# Altium PCB AT91-PCB.PcbDoc (part 3 of 3) (continued)
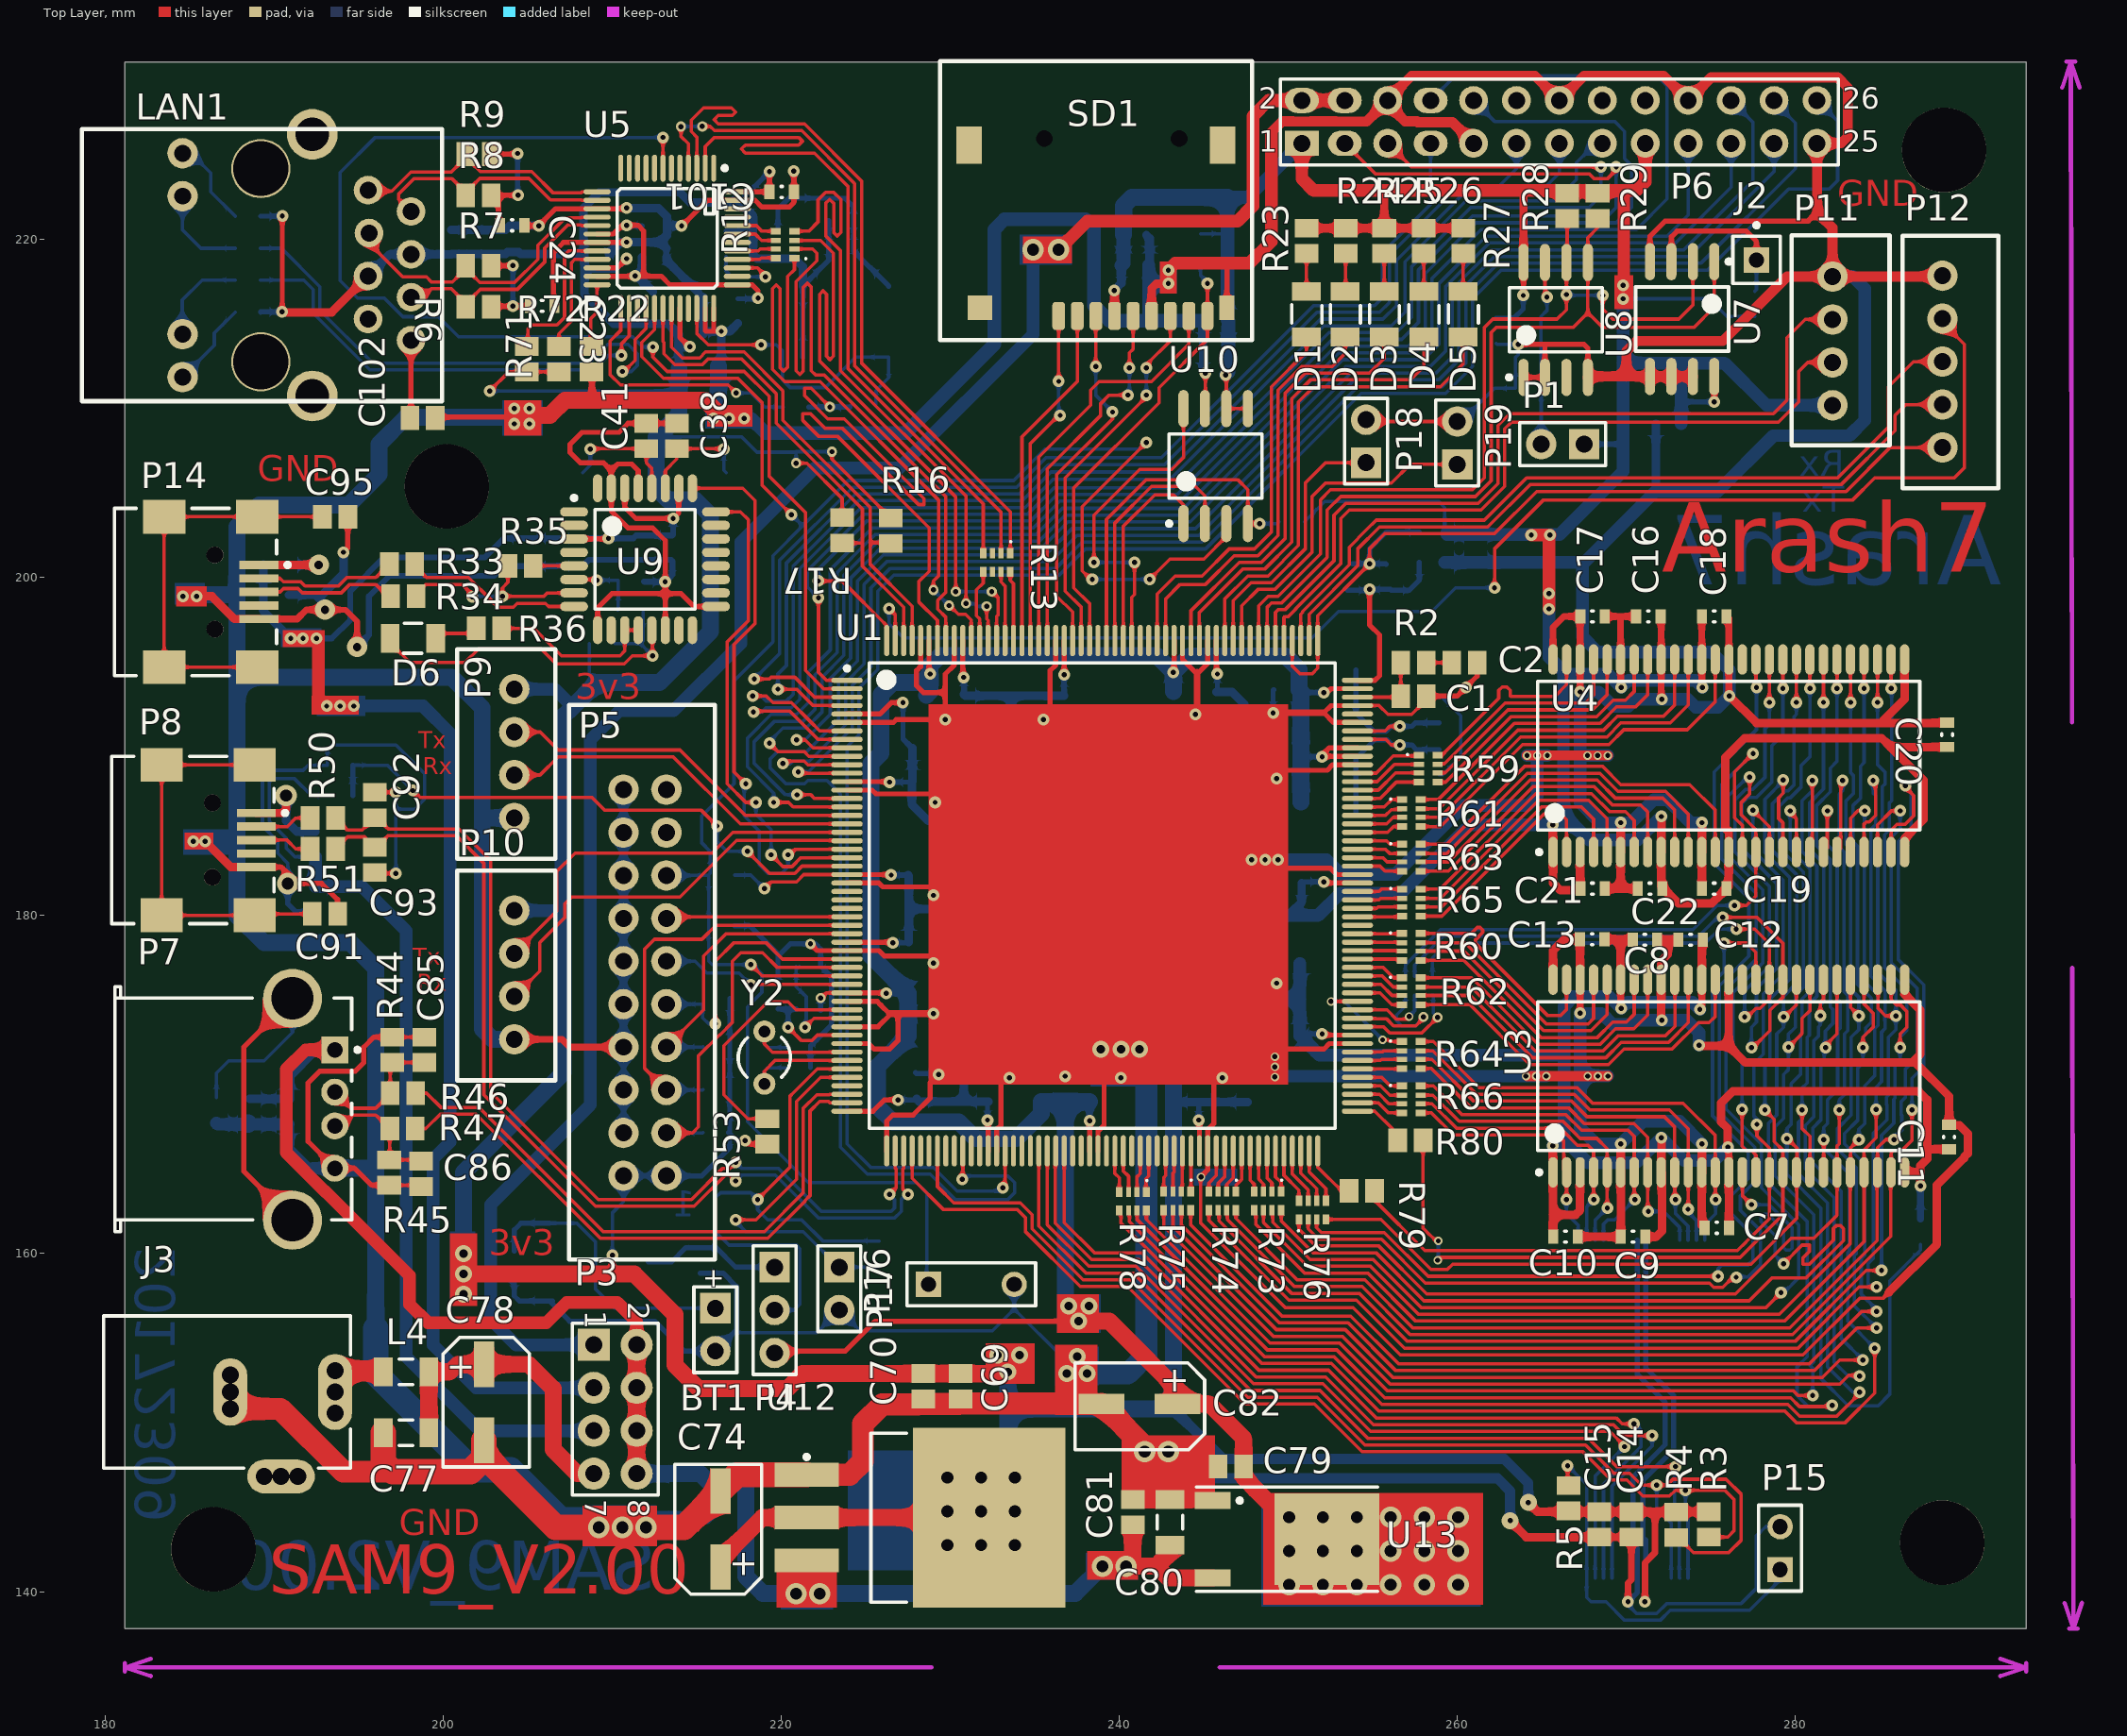
[diagram p0: Top Layer view]
## Nets (pads, with @x,y where several pads share a name; then routed paths per layer and width w, separated by ;. In a path a pad name is that pad's centre, name@x,y a point inside that pad or via, vN(x,y) a via of type N, cw(c..) or ccw(c..) an arc to the next point about the centre after c; other vN are vias at no path point) (continued)
TXD1: P9.2 U1.17 | length 21.7
  Top Layer w0.2: P9.2@204.2,190.86 205.74,190.86 206.8,189.8 214,189.8 217.875,185.925 223.885,185.925 U1.17@223.889,185.928
TXD2: P10.2 U1.19 | length 24
  Top Layer w0.2: P10.2@204.2,177.76 206.7,180.26 206.7,182.6 207.8,183.7 215.9,183.7 217.128,184.928 U1.19@223.889,184.928
TXD3: P11.2 U1.161 | length 44.7
  Top Layer w0.2: U1.161@249.739,196.278 249.739,197.639 249.8,197.7 250,197.7 250.439,198.139 250.439,198.17 253.1,200.831 253.1,203.5 253.6,204 260.434,204 261.397,204 262.8,205.403 262.8,208.8 263.2,209.2 279,209.2 280.2,210.4 280.2,212.2 280.74,212.74 P11.2@282.2,212.74
US_N: P14.2 R33.2 | length 8.5
  Top Layer w0.2: P14.2@189.087,199.952 190.337,199.952 190.537,199.752 191.566,199.752 191.817,199.5 193.8,199.5 194.3,200 195.999,200 R33.2@196.811,200.812
US_P: P14.3 R34.2 | length 8.5
  Top Layer w0.2: P14.3@189.087,199.152 190.337,199.152 190.537,199.352 191.4,199.352 191.652,199.1 193.966,199.1 194.466,199.6 196,199.6 196.693,198.907 R34.2@196.887,198.907
USB_PWR: R48.2 R49.1 U1.23 | length 34.5
  Top Layer w0.2: v1(198.2,187.4) 198.6,187 208.8,187 209.57,186.23 215.27,186.23 v1(216.2,185.3) ; v1(218,183.8) 219.3,182.5 220.8,182.5 221.228,182.928 U1.23@223.889,182.928
  Bottom Layer w0.2: R49.1@194.65,188.9 196.7,188.9 v1(198.2,187.4) ; v1(216.2,185.3) 216.2,184.4 216.8,183.8 v1(218,183.8) v1@217.9,183.8
  Bottom Layer w0.3: R48.2@194.65,187.1 R49.1@194.65,188.9
VCC_1V8: C58.2 C59.2 C60.2 C61.2 C62.2 C63.2 C64.2 C65.2 C66.2 C79.2 C82.2 P4.3 R82.2 R83.2 U1.38 U1.77 U1.147 U1.148 U1.155 U1.174 U1.203 U13.4 | length 149.2
  Top Layer w0.2: v4@222.2,175.2 222.45,175.2 222.678,175.428 U1.38@223.889,175.428 ; v1@226.172,175.428 v1(226.2,175.4) ; v1@228.739,194.361 v1(228.8,194.3) ; v1(243.2,194.4) v1@243.239,194.439 ; v1(252,189.4) v1@252.028,189.428 ; v1(252.1,193.2) v1@252.3,193.2
  Top Layer w0.3: P4.3@219.6,154.12 219.705,154.225 223.775,154.225 225.55,156 v5(237.6,156) ; U1.38@223.889,175.428 v1@226.172,175.428 ; v1@228.739,194.361 U1.203@228.739,196.278 ; U1.77@238.239,166.078 v1(238.239,167.861) ; v1@243.239,194.439 U1.174@243.239,196.278 ; v1(252,189.4) 252,189.5 252.428,189.928 U1.148@254.089,189.928 ; v1@252.028,189.428 U1.147@254.089,189.428 ; v1@252.3,193.2 252.528,193.428 U1.155@254.089,193.428
  Top Layer w1: v5(237.6,156) 239.4,156 244.2,151.2 244.65,151.2 244.65,151.1 245.325,151.1 247.35,149.075 C79.2@247.35,147.4 247.35,146.75 248.9,145.2
  Bottom Layer w0.2: C60.2@227.368,172.9 C60.2@227.468,173 ; v1@238.227,167.873 v1(238.239,167.861) ; C65.2@250.737,193.269 C65.2@250.805,193.2
  Bottom Layer w0.3: R83.2@222.325,174.4 v4@222.325,175.2 ; v1(226.2,175.4) C61.2@227.507,175.4 ; C60.2@227.468,173 C60.2@227.507,173.039 ; v1@238.227,167.873 C62.2@238.227,168.998 ; C66.2@250.737,189.459 250.795,189.4 v1(252,189.4) ; C65.2@250.805,193.2 v1(252.1,193.2)
  Bottom Layer w0.5: C59.2@250.737,186.713 C59.2@250.85,186.6
  Bottom Layer w1: C63.2@228.6,193.05 228.8,193.25 v1(228.8,194.3) ; v5(237,156.9) 236.8,157.1 236.8,168.998 ; C62.2@238.227,168.998 236.8,168.998 ; C64.2@243.2,193.262 v1(243.2,194.4) ; C59.2@250.737,186.713 C66.2@250.737,189.459 250.737,193.269 C65.2@250.635,193.37 250.635,194.565 249.85,195.35 244.15,195.35 v1(243.2,194.4) ; v1(228.8,194.3) 228.3,193.8 226.6,193.8 225.9,193.1 225.9,189.6 225.3,189 225.3,177.607 227.507,175.4 227.507,173.039 227.507,172.885 225.7,171.078 225.7,168.7 226.6,167.8 230.5,167.8 231.5,166.8 233.9,166.8 235.382,168.282 C58.2@235.382,168.998 236.8,168.998 ; v1(228.8,194.3) 228.8,194.8 229.4,195.4 242.2,195.4 v1(243.2,194.4)
  other v2: 250.05,140.4 252.05,140.4 254.05,140.4 256.05,140.4 258.05,140.4 260.05,140.4 250.05,142.4 252.05,142.4 254.05,142.4 256.05,142.4 258.05,142.4 260.05,142.4 250.05,144.4 252.05,144.4 254.05,144.4 256.05,144.4 258.05,144.4 260.05,144.4
  other v4: 222.325,175.125
  other v5: 238.2,156.9
VCC_3V3: C7.2 C8.2 C9.2 C10.2 C11.2 C12.2 C13.2 C14.2 C15.2 C16.2 C17.2 C18.2 C19.2 C20.2 C21.2 C22.2 C25.1 C26.2 C27.2 C28.2 C30.1 C34.2 C35.2 C37.2 C39.2 C40.2 C45.2 C46.2 C47.2 C48.2 C49.2 C50.2 C51.2 C52.2 C53.2 C54.2 C55.2 C56.2 C57.2 C69.2 C70.2 C71.2 C74.2 C83.2 C84.2 C96.2 C98.2 C99.1 C100.2 C101.2 L3.1 LAN1.4 LAN1.5 P1.1 P5.1 P5.2 P6.1 P6.17 P9.1 P10.1 P11.1 R1.1 R3.1 R4.1 R5.1 R13.1@189.19,221.39 R14.1 R16.2 R17.1 R23.2 R24.2 R25.2 R26.2 R27.2 R28.1 R29.1 R30.1 R39.1 R40.1 R41.1 R42.1 R43.1 R52.2 R53.2 R57.1 R58.2 R67.2 R71.1 R72.1 SD1.4 U1.5 U1.13 U1.24 U1.32 U1.52 U1.65 U1.90 U1.114 U1.132 U1.169 U1.187 U1.199 U2.12 U2.37 U3.1 U3.3 U3.9 U3.14 U3.27 U3.43 U3.49 U4.1 U4.3 U4.9 U4.14 U4.27 U4.43 U4.49 U5.22 U5.32 U5.48 U6.1 U6.4 U7.8 U8.8 U10.5 U10.6 U12.2 U12.4 | length 869.7
  Top Layer w0.2: v1(202.75,211.05) 203.875,212.175 R72.1@204.95,212.175 R71.1@206.85,212.175 ; 210,158.8 v1(210,159.9) ; v1(219,181.6) 219.4,182 220.9,182 221.328,182.428 U1.24@223.889,182.428 ; v4(220.875,206.775) 221.509,206.775 223.6,204.684 R17.1@223.6,203.55 ; v4(223,207.45) 223,207 R16.2@226.475,203.525 ; v1(246.3,212) 246.335,211.965 U10.6@246.335,210 U10.5@247.605,210 ; C14.2@270.3,144.775 274.825,144.775 R3.1@274.875,144.725 ; v1(276,166.3) v1@276.064,166.236
  Top Layer w0.3: v1@190.45,215.7 190.475,215.725 v1(190.475,221.4) ; U5.22@209.1,218.33 210.305,218.33 v1(210.85,218.875) ; U5.32@214,215.93 214,214.221 214.56,213.66 v1(214.585,213.66) ; U5.48@217.4,222.83 C101.2@219.3,222.83 ; v1(217.86,166.69) 218.07,166.48 R53.2@219.17,166.48 ; C101.2@219.3,222.825 C101.2@219.3,222.83 ; v1(219.3,224.025) C101.2@219.3,222.83 ; U1.52@223.889,168.428 225.428,168.428 226.1,169.1 v1(226.9,169.1) ; U1.32@223.889,178.428 226.572,178.428 v1(226.6,178.4) ; U1.24@223.889,182.428 226.472,182.428 v1(226.5,182.4) ; U1.13@223.889,187.928 226.372,187.928 v1(226.4,187.9) ; U1.5@223.889,191.928 225.828,191.928 226.5,192.6 v1(227.2,192.6) ; U1.199@230.739,196.278 230.739,194.161 v1(230.8,194.1) ; v1(232.2,167.9) 232.239,167.861 U1.65@232.239,166.078 ; v1(236.739,194.261) U1.187@236.739,196.278 ; v1(244.7,167.9) 244.739,167.861 U1.90@244.739,166.078 ; U1.169@245.739,196.278 245.739,194.361 v1(245.8,194.3) ; v1(252,173) 252.072,172.928 U1.114@254.089,172.928 ; v1(252.1,182) 252.2,182 252.272,181.928 U1.132@254.089,181.928 ; v1(263.9,216.7) 263.915,216.715 U8.8@263.915,218.649 ; v1@269.664,193.536 v1(269.7,193.5) ; v1@274.464,193.536 v1(274.5,193.5) ; v1(275.2,210.4) 275.205,210.405 U7.8@275.205,211.9
  Top Layer w0.4: C17.2@268.75,197.7 269.65,197.7 ; v1@269.664,174.538 U3.49@269.664,176.16 ; v1@269.664,193.536 U4.49@269.664,195.159 269.664,197.686 269.65,197.7 ; C16.2@270.55,197.7 269.65,197.7 ; v1(271.1,139.4) 271.1,141.7 271.7,142.3 271.7,144.725 ; C18.2@274.45,197.7 274.464,197.686 U4.43@274.464,195.159 v1@274.464,193.536 ; v1@274.464,174.538 U3.43@274.464,176.16 ; U3.14@276.064,164.81 v1@276.064,166.236
  Top Layer w0.5: v1@190.45,215.7 193.402,215.7 LAN1.5@195.551,217.849 ; v1(239.7,217) 239.715,216.985 SD1.4@239.715,215.482 ; R23.2@251.077,220.679 R24.2@253.388,220.679 R25.2@255.674,220.679 ; 255.7,222.9 255.674,222.874 R25.2@255.674,220.679 ; R27.2@260.348,220.679 R26.2@258.011,220.679 R25.2@255.674,220.679 ; 263.8,222.9 263.915,222.785 U8.8@263.915,218.649 ; v7(264.2,145.275) 264.75,144.725 271.7,144.725 R3.1@274.875,144.725 ; v1(265.65,166.377) U3.1@265.65,164.797 ; v1(265.65,185.375) 265.65,183.795 265.675,183.77 U4.1@265.664,183.759 265.664,181.936 266.1,181.5 266.975,181.5 267.264,181.789 U4.3@267.264,183.759 ; U3.1@265.664,164.81 U3.1@265.65,164.797 ; C10.2@265.675,161 265.65,161.025 265.65,162.3 ; U3.3@267.264,164.81 267.264,162.564 267,162.3 265.65,162.3 ; C13.2@268.7,178.6 269.664,178.6 ; U3.49@269.664,176.21 269.664,178.6 ; v1(269.8,216.5) v1@269.85,216.55 ; 269.85,222.75 270,222.9 ; C8.2@270.375,178.575 270.35,178.6 269.664,178.6 ; C9.2@271.125,161 271.775,161 272.1,161.325 272.1,164.774 U3.9@272.075,164.799 ; U3.9@272.064,164.81 U3.9@272.075,164.799 ; U3.9@272.075,164.772 U3.9@272.075,164.799 ; v1@272.075,166.865 U3.9@272.075,164.799 ; v1@272.075,185.864 272.075,183.77 U4.9@272.064,183.759 272.064,181.739 273.077,180.725 275.05,180.725 C19.2@275.925,181.6 276.064,181.739 U4.14@276.064,183.759 276.064,184.997 276,185.061 ; U3.43@274.464,176.21 274.464,178.489 C12.2@274.55,178.575 ; 275.961,185.061 275.85,185.172 275.85,189.35 277,190.5 285.1,190.5 285.625,189.975 ; v1(276,166.3) 276,167.4 275.6,167.8 275.6,168.9 276.3,169.6 287.3,169.6 287.8,169.1 287.8,166.25 ; C7.2@276.064,161.661 276.075,161.673 276.075,164.799 U3.14@276.064,164.81 ; U3.27@286.464,164.81 287.31,164.81 287.4,164.9 ; U4.27@286.464,183.759 286.464,184.564 287.6,185.7 287.6,188 285.625,189.975 ; v1(287.4,164) 287.4,164.9 ; C20.2@288.975,189.975 285.625,189.975 ; C11.2@289.1,166.175 287.875,166.175 287.8,166.25 ; 265.65,162.3 U3.1@265.65,164.797 ; 287.4,164.9 287.4,165.2 287.8,165.6 287.8,166.25
  Top Layer w0.75: P6.1@250.8,225.7 250.8,223.6 251.5,222.9 255.7,222.9 263.8,222.9 270,222.9 270.6,222.9 271.125,223.425 271.125,225.695 P6.17@271.12,225.7 ; v1(264.375,202.525) v1(265.475,202.525) 265.425,202.475 v1(265.425,199.05) v1(265.425,198.15) ; v1@269.85,216.55 269.85,222.75
  Top Layer w1: v5@201,158.8 v5(201.2,158.8) 210,158.8 211.3,158.8 213.7,156.4 213.7,153.4 215.1,152 220.35,152 221.25,152.9 C70.2@228.4,152.9 C69.2@230.6,152.9 232.7,152.9 ; C74.2@216.4,141.45 216.4,141.9 218.875,144.375 U12.2@221.5,144.375 U12.4@232.3,144.375 U12.4@233.4,145.475 ; v5@232.7,153.9 v5(232.8,154) v5(234.1,154) v5@234.5,154
  Bottom Layer w0.2: v1(202.75,211.05) 213.975,211.05 ; R58.2@208.65,196.1 208.65,194.25 209.1,193.8 ; v1(210,159.9) 210,162.4 210.66,163.06 P5.2@210.66,164.6 P5.1@213.2,164.6 ; 212.6,208.325 217.65,208.325 218.55,207.425 220.85,207.425 ; R52.2@217.25,182.4 218.2,182.4 v1(219,181.6) ; v4(220.875,206.775) 220.875,207.4 220.85,207.425 ; v4(223,207.45) 220.875,207.45 220.85,207.425 ; R43.1@244.8,220.35 246.35,220.35 246.4,220.3 ; R57.1@250.95,203.3 252.15,204.5 258.9,204.5 259.25,204.15 L3.1@259.25,202.7 ; v1(269.8,216.5) 274.9,216.5 275.95,215.45 R30.1@277.6,215.45
  Bottom Layer w0.3: R14.1@189.19,215.71 189.205,215.725 v1(190.45,215.725) ; R13.1@189.19,221.39 190.465,221.39 v1(190.475,221.4) ; 208.35,218.2 210.175,218.2 v1(210.85,218.875) ; P5.1@213.2,164.6 215.3,164.6 216.95,166.25 R39.1@216.95,167.096 ; C99.1@213.675,212.375 C99.1@213.925,212.625 ; 213.925,213.55 213.99,213.615 ; v1@214.585,213.615 v1(214.585,213.66) ; R67.2@216.725,220.5 218,220.5 218.075,220.425 218.225,220.575 218.225,221.525 ; R39.1@216.879,167.167 R39.1@216.95,167.096 ; R42.1@216.95,175.1 R39.1@216.95,167.096 ; C30.1@217.55,222.2 217.55,222.275 v1(219.3,224.025) ; v1(217.86,166.69) 217.356,166.69 R39.1@216.95,167.096 ; U6.4@221.275,213.05 U6.1@221.275,217.25 222.8,218.775 C98.2@222.8,221.125 ; v1(226.4,187.9) C50.2@227.688,187.9 ; v1(226.5,182.4) C49.2@227.497,182.4 ; v1(226.6,178.4) 227.51,178.4 C48.2@227.545,178.435 ; v1(226.9,169.1) 227.95,169.1 C47.2@228,169.15 ; v1(227.2,192.6) 227.2,190.45 C96.2@227.75,189.9 ; C51.2@230.8,193.094 v1(230.8,194.1) ; v1(232.2,167.9) 232.2,168.941 C57.2@232.258,168.998 ; C52.2@236.728,193.003 236.728,194.272 v1(236.739,194.261) ; v1(244.7,167.9) 244.7,168.944 C56.2@244.729,168.973 ; C53.2@245.745,193.231 245.7,193.276 245.8,193.376 v1(245.8,194.3) ; C55.2@250.788,173 v1(252,173) ; C54.2@250.788,181.915 250.873,182 v1(252.1,182) ; C35.2@262.3,215.35 263.35,215.35 263.9,215.9 v1(263.9,216.7) ; P1.1@267.5,207.9 269.8,207.9 ; v1(271.1,139.4) 271.15,139.45 U2.12@271.15,140.8 271.15,143.05 270.975,143.225 270.975,146.575 271.451,147.051 272.8,148.4 272.8,151.6 271.15,153.25 U2.37@271.15,160.8 ; 273.25,210.4 v1(275.2,210.4)
  Bottom Layer w0.4: R1.1@287.4,162.05 v1(287.4,164)
  Bottom Layer w0.5: LAN1.5@195.551,217.849 196.831,219.129 LAN1.4@198.091,219.129 200.471,219.129 200.492,219.15 203.684,219.15 203.794,219.26 204.456,219.26 204.566,219.15 C26.2@208.3,219.15 ; 207,180.3 207.1,180.4 ; C26.2@208.35,219.15 C26.2@208.3,219.15 ; C99.1@213.925,212.625 213.925,213.55 C100.2@213.925,214.4 213.3,215.025 210.075,215.025 208.35,216.75 208.35,218.2 208.35,219 208.3,219.05 C26.2@208.3,219.15 ; 213.99,213.615 v1@214.585,213.615 ; U6.1@221.275,217.25 221.275,218.4 220.8,218.875 218.575,218.875 218.325,219.125 218.325,221.425 218.225,221.525 217.55,222.2 214.6,222.2 214,222.8 209.225,222.8 208.3,221.875 C26.2@208.3,219.15 ; C49.2@227.497,182.4 227.545,182.352 227.545,180.4 ; C48.2@227.545,178.435 227.545,180.4 ; C96.2@227.75,189.9 227.75,187.962 C50.2@227.723,187.935 227.723,186.577 228.7,185.6 231.9,185.6 ; C47.2@228,169.15 228.152,168.998 230.8,168.998 ; C51.2@230.8,193.094 230.892,193.003 233.6,193.003 ; 231.8,173.6 230.8,172.6 230.8,168.998 ; 232.2,180.5 232.1,180.4 227.545,180.4 ; C57.2@232.258,168.998 230.8,168.998 ; 233.7,188.4 233.6,188.5 233.6,193.003 ; C52.2@236.728,193.003 233.6,193.003 ; v1(239.7,217) 240.125,217.425 C84.2@240.125,218.466 ; 243.246,169 243.273,168.973 C56.2@244.729,168.973 247.577,168.973 C45.2@247.6,168.95 ; C53.2@245.745,193.231 246.669,193.231 247.4,192.5 247.4,189.8 245.8,188.2 ; C39.2@246.4,213.45 C39.2@246.45,213.4 ; 250,180 250.788,180.788 C54.2@250.788,181.915 ; C55.2@250.686,172.898 C55.2@250.788,172.999 ; C46.2@250.686,177.165 C46.2@250.788,177.267 ; L3.1@259.25,202.7 259.4,202.55 259.45,202.5 265.475,202.5 266,202.5 266.05,202.55
  Bottom Layer w0.6: 243.2,150.8 246.15,147.85 262.775,147.85 264.2,146.425 v7(264.2,145.275)
  Bottom Layer w0.75: P10.1@204.2,180.3 207,180.3 ; P9.1@204.2,193.4 206.6,193.4 207.65,192.35 ; 245.8,180 250,180 251.75,180 253.075,181.325 256.675,181.325 260.725,185.375 v1(265.65,185.375) ; 246.1,175.2 246.225,175.075 250.686,175.075 ; 246.4,222.5 247.6,222.5 P6.1@250.8,225.7 ; C46.2@250.686,177.165 250.686,175.075 ; L3.1@259.4,202.55 C71.2@261.1,202.55 266.05,202.55 269.8,206.3 269.8,207.9 269.8,212.7 ; v1(265.425,199.05) 265.425,195.3 266.275,194.45 266.275,186 ; v1@265.475,202.5 v1(265.475,202.525) ; 266.1,171.75 251.834,171.75 C55.2@250.686,172.898 250.686,175.075 ; 266.275,194.275 268.925,194.275 v1(269.7,193.5) 270.125,193.925 274.075,193.925 v1(274.5,193.5) ; v1(269.8,216.5) 269.8,212.7 ; v1(272.064,185.864) 270.675,184.475 267.8,184.475 266.9,185.375 ; C37.2@273.25,209.1 273.25,210.4 273.25,212.65 273.3,212.7 ; v1(274.35,174.45) 273.925,174.875 270.073,174.875 v1(269.7,174.502) 269.002,175.2 266.882,175.2 266.314,174.631 266.314,167.044 ; v1(276,166.3) 275.225,165.525 273.404,165.525 v1(272.064,166.865) 270.573,165.375 267.725,165.375 266.723,166.377 ; P11.1@282.2,210.2 278.3,210.2 275.8,212.7 273.3,212.7 ; v1(265.65,185.375) 266.9,185.375 ; v1(265.65,185.375) 266.275,186 ; 266.275,186 266.9,185.375 ; 266.314,167.044 266.314,167.04 v1(265.65,166.377) 266.723,166.377 ; 266.314,167.044 266.316,167.042 266.316,166.784 266.723,166.377 ; 269.8,212.7 273.3,212.7
  Bottom Layer w0.8: C84.2@240.125,218.466 240.25,218.591 C83.2@240.25,220.3 ; v1(246.3,212) 246.45,212.15 C39.2@246.45,213.4 ; C39.2@246.4,213.45 246.45,213.5 C40.2@246.45,215.2 246.4,215.25 246.4,220.3 246.4,222.5
  Bottom Layer w1: v5(201.2,158.8) 201.2,164.8 207.1,170.7 207.1,180.4 207.1,191.8 207.65,192.35 209.1,193.8 212.8,193.8 215.8,196.8 215.8,203.7 214.9,204.6 213.3,204.6 212.6,205.3 212.6,208.325 213.95,209.675 C99.1@213.95,212.375 ; 233.35,150.8 243.2,150.8 243.2,175.3 ; v5(233.4,153) 233.4,148 233.475,147.925 ; v5@233.6,153.2 234.4,153.2 ; C83.2@240.25,220.3 240.25,222 240.75,222.5 246.4,222.5
  other v1: 269.8,217.3
  other v2: 229.825,142.75 231.825,142.75 233.825,142.75 229.825,144.75 231.825,144.75 233.825,144.75 229.825,146.75 231.825,146.75 233.825,146.75
  other v5: 201.2,157.6 201.2,160
VCC_3V3A: C72.2 C73.2 L3.2 P12.1 U1.157 U1.160 | length 54.6
  Top Layer w0.2: U1.160@250.239,196.278 250.239,194.761 250.7,194.3 251.4,194.3 251.739,194.639 U1.157@251.739,196.278 251.739,197.739 254.8,200.8 v1(254.8,200.826) 254.8,201.7 255.7,202.6 262.2,202.6 264.7,205.1 283,205.1 285.6,207.7 P12.1@288.7,207.7 P12.1@288.7,208
  Bottom Layer w0.3: C73.2@253.803,200.826 v1(254.8,200.826) ; C72.2@255.784,200.801 255.759,200.826 v1(254.8,200.826) ; L3.2@257.75,202.7 255.8,202.7 254.8,201.7 v1(254.8,200.826)
VCC_5V: C75.2 C76.2 C80.2 C81.2 C88.2 C89.2 P3.2 P3.4 P3.6 P3.8 P7.1 U12.3 U13.3 | length 96.6
  Top Layer w0.75: P7.1@193.578,172.053 191.853,172.053 190.7,170.9 190.7,165.986 193.008,163.678 193.022,163.678 198,158.7 198,157 199.1,155.9 206.1,155.9 207.3,157.1 210.3,157.1 211.44,155.96 P3.2@211.44,154.6
  Top Layer w1: P3.8@211.44,146.98 P3.6@211.44,149.52 P3.4@211.44,152.06 P3.2@211.44,154.6 ; C81.2@240.8,143.95 240.8,141.9 v2(240.4,141.5) 242.2,141.5 ; C80.2@243,142.75 243,142.3 242.2,141.5 ; U13.3@245.525,140.815 242.885,140.815 242.2,141.5
  Bottom Layer w0.5: C88.2@188.544,169.152 C89.2@190.83,169.152
  Bottom Layer w0.7: C89.2@190.83,169.152 190.83,170.53 192.353,172.053 P7.1@193.578,172.053 P7.1@193.678,172.153 ; P3.6@211.22,149.52 P3.6@211.44,149.52
  Bottom Layer w1: P3.8@211.44,146.98 215.2,146.98 215.63,146.55 C76.2@216.4,146.55 217.45,146.55 217.9,146.1 217.9,140.9 218.9,139.9 237.4,139.9 v2(239,141.5) v2@240.3,141.5
  other v2: 220.875,139.875 222.275,139.875
VCC_5V_DEBUG: C42.2 C43.2 C44.2 C94.2 L7.1 P3.3 U9.3 U9.26 U9.30 | length 98.3
  Top Layer w0.3: U9.3@207.769,202.323 U9.3@207.738,202.292 209.617,202.292 209.648,202.323 v1(209.773,202.323) v1@209.798,202.323 ; U9.30@210.738,205.292 210.738,204.162 211.4,203.5 v1(213.6,203.5) 213.925,203.825 213.925,205.279 U9.26@213.938,205.292
  Top Layer w0.75: v1(192.5,196.4) 192.6,196.3 192.6,192.9 v1(193.1,192.4)
  Bottom Layer w0.35: v1(190.975,196.4) v1(191.7,196.4) v1(192.5,196.4) 193.4,196.4 194.5,197.5 194.5,199.2 196.5,201.2 202.458,201.2 203.581,202.323 v1(209.773,202.323) 211.248,202.323 211.412,202.487 213.538,202.487 213.6,202.55 v1(213.6,203.5)
  Bottom Layer w0.5: L7.1@189.35,200.775 C94.2@189.35,198.975 189.35,198.025 v1(190.975,196.4)
  Bottom Layer w0.75: v1(194.7,192.4) 198.8,192.4 200.4,190.8 200.4,166.6 199.4,165.6 199.4,154.6 201.94,152.06 P3.3@208.9,152.06
  other v1: 193.9,192.4
VCC_5V_HDR: P3.1 P6.2 P6.4 | length 114.5
  Top Layer w0.75: v2@235.2,219.4 v2(236.4,219.4) 238.1,221.1 247,221.1 247.9,222 247.9,227.3 248.84,228.24 P6.2@250.8,228.24 P6.4@253.34,228.24
  Bottom Layer w0.5: v2(234.9,219.4) v2(236.4,219.4)
  Bottom Layer w0.75: P3.1@208.9,154.6 204.3,154.6 202.8,156.1 202.8,162.9 208.7,168.8 208.7,190.4 210.425,192.125 213.625,192.125 217.6,196.1 217.6,202.1 222,206.5 227,206.5 234.9,214.4 v2(234.9,219.4)
VCC_5V_JACK: C77.2 C78.2 L4.2 P3.7 | length 18.3
  Top Layer w1: C77.2@199.15,149.4 L4.2@199.15,153 200.4,153 200.85,153.45 C78.2@202.4,153.45 205.05,153.45 206.5,152 206.5,148.4 207.92,146.98 P3.7@208.9,146.98
VCC_5V_USB: C90.2 L6.1 P3.5 R48.1 | length 56.5
  Bottom Layer w0.2: L6.1@192.43,183.476 191.224,183.476 190.7,184 190.7,184.6 189.7,185.6 189.7,187.9 189.9,188.1 191.2,188.1 192.2,187.1 R48.1@193.15,187.1
  Bottom Layer w0.75: L6.1@192.43,183.476 C90.2@192.43,181.725 195.175,181.725 197.8,179.1 197.8,153.9 202.2,149.5 208.88,149.5 P3.5@208.9,149.52
VCC_BU: P4.2 R54.2 U1.47 | length 34.4
  Top Layer w0.2: v1(218.6,163.2) 220.5,165.1 220.5,169.3 220.757,169.556 222.128,170.928 U1.47@223.889,170.928
  Bottom Layer w0.2: v1@218.6,162.9 218.6,162.6 219.2,162 221.2,162 222.45,160.75 R54.2@225.8,160.75 ; v1(218.6,163.2) 218.2,163.6 216.4,163.6 216.1,163.3 216.1,161.3 216.9,160.5 220.888,160.5 221.1,160.288 221.1,157 220.76,156.66 P4.2@219.6,156.66
VCCIO: D6.1 R31.1 R58.1 U9.13 | length 23.2
  Top Layer w0.2: D6.1@196.85,196.4 196.85,196.15 198.025,194.975 201.275,194.975 202.1,195.8 205.775,195.8 206.675,194.9 210.7,194.9 211.175,195.375 v1(212.375,195.375) 212.375,196.854 U9.13@212.338,196.892
  Bottom Layer w0.2: R58.1@210.15,196.1 211.65,196.1 ; R31.1@211.825,197.975 211.825,196.275 211.65,196.1 ; v1(212.375,195.375) 211.65,196.1
WEN: R77.5 U3.16 U4.16 | length 57
  Top Layer w0.2: v1(276.4,180.6) 277.1,180.6 277.664,181.164 U4.16@277.664,183.759 277.664,185.102 276.8,185.966 276.8,186.7 277.299,187.199 v1(277.299,188.2) ; v1(276.85,168.525) 276.85,166.35 277.1,166.1 277.4,166.1 277.664,165.836 U3.16@277.664,164.81
  Bottom Layer w0.2: R77.5@256.925,176.4 256.925,177.091 259.009,179.175 273.95,179.175 275.375,180.6 v1(276.4,180.6) ; v1(276.85,168.525) 276.85,171.625 276.3,172.175 276.3,175.425 278.075,177.2 278.075,181.525 276.036,183.564 276.036,187.069 277.167,188.2 v1(277.299,188.2)
WKUP: P16.1 R54.1 U1.48 | length 22.5
  Top Layer w0.2: v1(217.3,162) 218.5,162 220.9,164.4 220.9,169 222.328,170.428 U1.48@223.889,170.428
  Bottom Layer w0.2: v1(217.3,162) 217.3,161.9 217.9,161.3 221.3,161.3 P16.1@223.418,159.182 ; P16.1@223.43,159.2 225.75,159.2 R54.1@225.8,159.25
XIN: C3.2 U1.149 Y1.2 | length 11.5
  Top Layer w0.2: U1.149@254.089,190.428 255.772,190.428 256.1,190.1 v1(256.6,190.1)
  Bottom Layer w0.3: Y1.2@254,186.05 254,189.3 255.1,190.4 255.85,190.4 256.15,190.1 v1(256.6,190.1) 257.3,190.1 257.571,189.829 C3.2@258.905,189.829
XIN32: C5.2 U1.46 Y2.1 | length 8.2
  Top Layer w0.2: Y2.1@219,169.85 Y2.1@219,170.05 219,170.8 219.628,171.428 U1.46@223.889,171.428
  Bottom Layer w0.2: Y2.1@219,170.05 219,170.8 219.2,171 C5.2@220.275,171
XOUT: C4.2 U1.150 Y1.1 | length 10.8
  Top Layer w0.2: U1.150@254.089,190.928 255.728,190.928 256,191.2 v1(256.6,191.2)
  Bottom Layer w0.3: Y1.1@254,194.55 254,191.975 255.075,190.9 255.775,190.9 256.075,191.2 v1(256.6,191.2) 257.3,191.2 257.503,191.403 C4.2@258.905,191.403
XOUT32: C6.2 U1.45 Y2.2 | length 7.8
  Top Layer w0.2: Y2.2@219,172.95 219,172.4 219.484,171.916 223.876,171.916 U1.45@223.889,171.928
  Bottom Layer w0.2: Y2.2@219,173.15 219,172.4 219.2,172.2 C6.2@220.275,172.2
pads on no net: LAN1.3.25 LAN1.7 LAN1.13 P5.17 P5.19 P6.12 P6.16 P6.18 P8.4 P8.MH1 P8.MH2 P14.4 P14.MH1 P14.MH2 P17.2 R13.3 R13.6 R77.2 R77.7 SD1.1@235.565,225.982 SD1.1@243.545,225.982 SD1.11 SD1.12 SD1.13 U1.26 U1.27 U1.28 U1.49 U1.58 U1.60 U1.61 U1.63 U1.64 U1.68 U1.69 U1.70 U1.75 U1.76 U1.79 U1.82 U1.85 U1.127 U1.152 U1.165 U1.177 U1.178 U1.183 U2.1 U2.2 U2.3 U2.4 U2.5 U2.6 U2.10 U2.11 U2.14 U2.15 U2.20 U2.21 U2.22 U2.23 U2.24 U2.25 U2.26 U2.27 U2.28 U2.33 U2.34 U2.35 U2.38 U2.39 U2.40 U2.45 U2.46 U2.47 U2.48 U3.40 U4.40 U5.1 U5.5 U5.6 U5.8 U5.9 U5.10 U5.11 U5.12 U5.27 U5.33 U5.38 U5.42 U5.45 U5.46 U8.3 U9.1 U9.2 U9.4 U9.10 U9.15 U9.16 U9.18 U9.19 U9.20 U9.21 U9.22 U9.23 U9.32 U11.2

## Keep-outs
Keep-Out Layer:
  lines w0.254: 181.163,135.255 181.163,135.763 ; 182.687,135.001 181.163,135.509 ; 182.687,136.017 181.163,135.509 ; 228.879,135.509 181.163,135.509 ; 245.943,135.509 293.659,135.509 ; 292.135,135.001 293.659,135.509 ; 292.135,136.017 293.659,135.509 ; 293.659,135.255 293.659,135.763 ; 295.794,229 296.3,230.525 ; 295.933,139.328 296.444,137.805 ; 296.046,230.525 296.554,230.525 ; 296.19,137.805 296.698,137.806 ; 296.361,191.427 296.3,230.525 ; 296.383,176.903 296.444,137.805 ; 296.81,229.002 296.3,230.525 ; 296.949,139.33 296.444,137.805
  text "92.72 (mm)" at 295.447,191.172 h1.52 r270.09
  text "112.497 (mm)" at 229.133,134.595 h1.52

## Other copper
Top Layer:
  rectangle net GND: 240.125,145.2 245.65,149.25
  rectangle net VCC_5V: 219.725,139.05 223.3,142.2
  region net VCC_1V8: 261.525,145.825 248.525,145.825 248.525,139.225 261.525,139.225
  rectangle net VCC_3V3: 269.3,215.9 270.4,217.9
  rectangle net VCC_5V_DEBUG: 192.2,191.9 195,193
  rectangle net VCC_5V_DEBUG: 190.5,195.9 193,196.9
  rectangle net VCC_5V_HDR: 234.3,218.6 237.2,220.2
  rectangle net GND: 242.4,216.8 243.4,218.7
  rectangle net GND: 215.6,208.925 218.3,210.225
  rectangle net GND: 203.6,208.4 205.8,210.5
  region net GND: 186,198.3 186,199.5 184.2,199.5 184.2,198.3
  rectangle net GND: 184.7,183.9 186.4,184.9
  rectangle net GND: 228.7,170 250,192.5
  rectangle net VCC_3V3: 232.1,152.3 235,154.7
  rectangle net VCC_3V3: 200.4,156.9 202,161.2
  rectangle net GND: 208.25,142.675 212.65,145.075
  rectangle net GND: 236.2,150.45 238.7,154.6
  rectangle net VCC_1V8: 236.3,155.3 238.8,157.6
  rectangle net VCC_5V: 238.1,140.7 241.1,142.4
  text "GND" at 282.5,222 h1.52
  text "GND" at 189,205.7 h1.52
  text "Arash7" at 272.1,199 h7
  text "3v3" at 207.8,192.8 h1.52
  text "Tx" at 198.525,189.9 h1
  text "Rx" at 198.775,188.375 h1
  text "Tx" at 198.2,177.075 h1
  text "Rx" at 198.45,175.55 h1
  text "3v3" at 202.7,159.9 h1.52
  text "GND" at 197.375,143.325 h1.52
  text "SAM9_V2.00" at 189.675,138.9 h5
Bottom Layer:
  rectangle net GND: 240.5,147.475 243.6,149.075
  rectangle net VCC_5V: 219.975,138.95 223.075,140.875
  rectangle net VCC_3V3: 269.3,215.9 270.3,217.8
  rectangle net VCC_5V_DEBUG: 192.5,191.8 195.4,193
  rectangle net VCC_5V_DEBUG: 190.4,195.9 192.8,197
  rectangle net VCC_5V_HDR: 234.1,218.5 237.2,220.3
  rectangle net GND: 242.4,216.8 243.4,218.7
  rectangle net GND: 215.5,208.825 218.325,209.925
  rectangle net GND: 203.5,208.4 205.9,210.5
  region net GND: 185.9,198.4 185.9,199.7 184.1,199.7 184.1,198.4
  region net GND: 187.8,183.6 187.8,185.1 184.6,185.1 184.6,183.6
  rectangle net VCC_1V8: 248.4,139.1 261.4,145.7
  rectangle net VCC_3V3: 231.5,173.3 246.8,189.1
  rectangle net VCC_3V3: 223.925,141.25 236.725,148.35
  rectangle net VCC_3V3: 232.1,152.3 235,154.7
  rectangle net VCC_3V3: 200.4,157 201.9,161.3
  rectangle net GND: 208.4,142.7 212.6,145.1
  rectangle net GND: 236.2,152.2 238.8,154.5
  rectangle net GND: 238.3,169.9 242.1,172.8
  rectangle net VCC_1V8: 236.3,155.3 238.9,157.6
  rectangle net VCC_5V: 238,140.7 241.1,142.3
  rectangle net GND: 244.4,164.025 246.975,165.025
  text "Rx" at 282.9,206 h1.52
  text "Tx" at 282.9,203.9 h1.52
  text "Arash7" at 292.2,198.25 h7
  text "1" at 214.9,162.2 h1.52
  text "20172309" at 184.9,160.4 h4 r90
  text "-" at 214.7,152.4 h1.52
  text "SAM9_V2.00" at 212.525,139.125 h5

## Silkscreen, mask and mechanical layers (free items; w line width, h text height)
Mechanical 1:
  the board outline again, w0.254

## Text inside footprints (layer, text, board x,y; h text height)
BT1: Top Overlay "+" at 215.523,159.17 h1.15 r270
C74: Top Overlay "+" at 217.125,142.5 h1.52 r270
C78: Top Overlay "+" at 201.675,152.4 h1.52 r90
C82: Top Overlay "+" at 242.4,151.825 h1.52
P3: Top Overlay "8" at 210.932,145.456 h1.27 r270; Top Overlay "7" at 208.392,145.456 h1.27 r270; Top Overlay "1" at 208.392,156.632 h1.27 r270; Top Overlay "2" at 210.932,157.14 h1.27 r270
P6: Top Overlay "26" at 282.804,227.732 h1.27; Top Overlay "25" at 282.804,225.192 h1.27; Top Overlay "1" at 248.26,225.192 h1.27; Top Overlay "2" at 248.26,227.732 h1.27
P7: Mechanical 1 "PCB Edge" at 180.913,174.856 h0.25 r270
P8: Mechanical 1 "PCB Edge" at 180.652,188.507 h0.25 r270
P14: Mechanical 1 "PCB Edge" at 180.805,203.188 h0.25 r270